# Altium PCB SmartCube.PcbDoc (part 1 of 2) (continued)
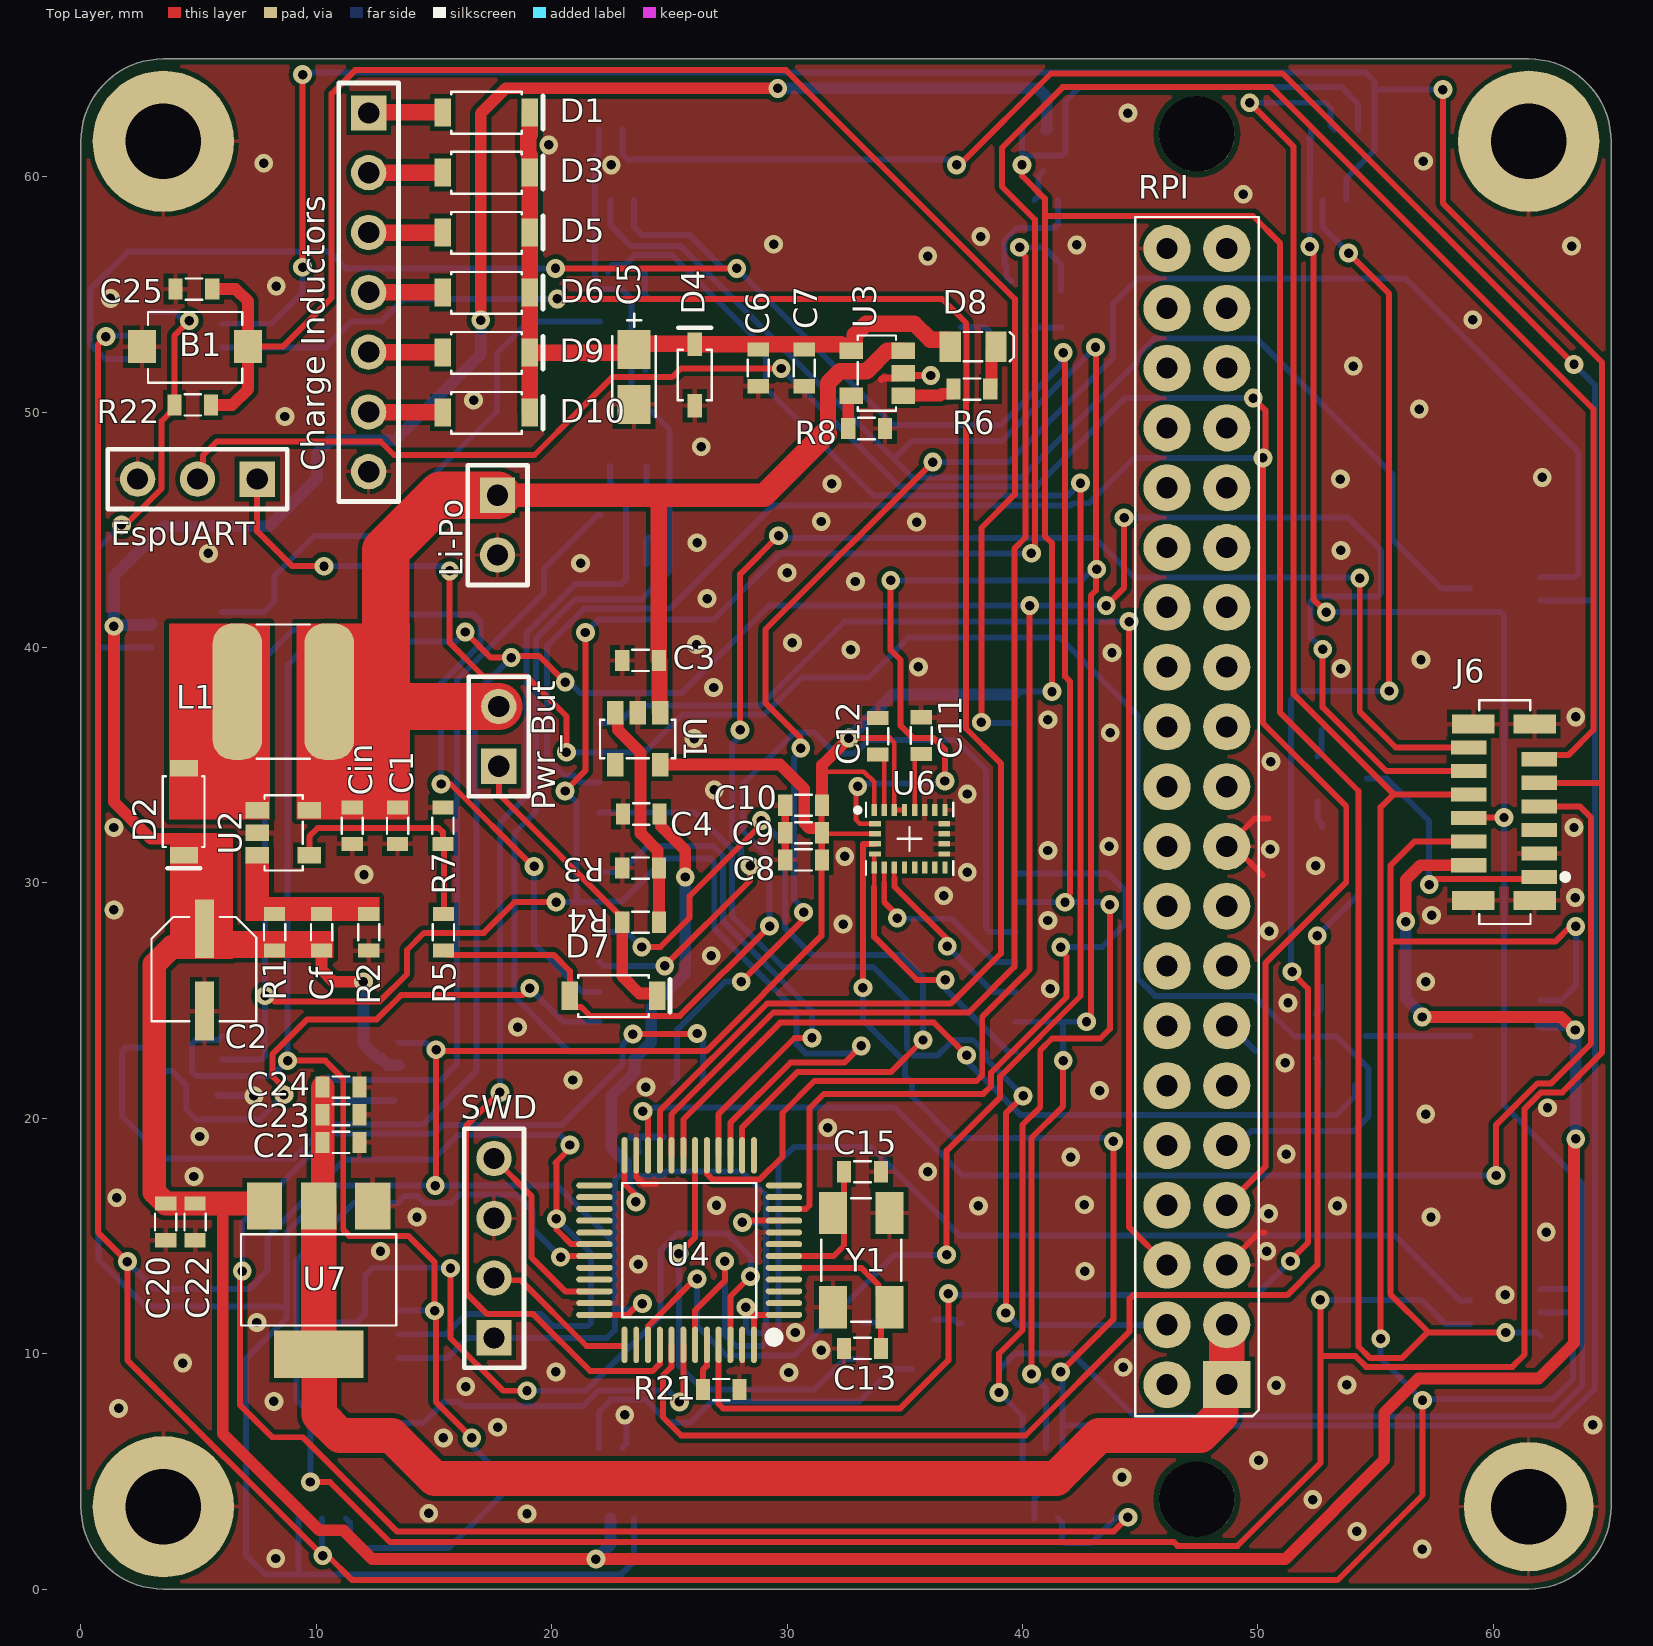
[diagram p0: Top Layer view]
## Components (designator, comment, footprint, x,y, rotation, side; value= is the part's Value field where it differs from the comment)
B1 "But" "BUTTON 4x3" 7.1,52.775 r270 top
C1 "2.2uF" "0603 Capicator" 13.45,32.425 r90 top
C2 "4.7uF" "Bar Cap 4x5.4" 5.25,24.55 r180 top
C3 "10uF" "0603 Capicator" 23.775,39.45 r0 top
C4 "10uF" "0603 Capicator" 23.805,32.925 r0 top
C5 "10uF" TANTAL_A_CASE 23.5,51.15 r90 top
C6 "0.1uF" "0603 Capicator" 28.775,51.875 r90 top
C7 "0.1uF" "0603 Capicator" 30.725,51.875 r90 top
C8 "10uF" "0603 Capicator" 30.7,30.975 r180 top
C9 "0.1uF" "0603 Capicator" 30.7,32.125 r180 top
C10 "0.1uF" "0603 Capicator" 30.7,33.3 r180 top
C11 "10nF" "0603 Capicator" 35.7,36.255 r90 top
C12 "0.1uF" "0603 Capicator" 33.85,36.23 r90 top
C13 "10pF" "0603 Capicator" 33.2,10.225 r180 top
C14 "0.1uF" "0603 Capicator" 21.9,11.875 r180 bottom
C15 "10pF" "0603 Capicator" 33.2,17.725 r0 top
C16 "0.1uF" "0603 Capicator" 28.375,10.1 r270 bottom
C17 "0.1uF" "0603 Capicator" 23.35,18.425 r90 bottom
C18 "0.1uF" "0603 Capicator" 29.85,15.45 r0 bottom
C19 "4.7uF" "0603 Capicator" 24.75,18.425 r90 bottom
C20 "10uF" "0603 Capicator" 3.6,15.6 r90 top
C21 "10uF" "0603 Capicator" 11.05,18.975 r180 top
C22 "10uF" "0603 Capicator" 4.85,15.6 r90 top
C23 "10uF" "0603 Capicator" 11.05,20.15 r180 top
C24 "1uF" "0603 Capicator" 11.05,21.325 r180 top
C25 "0.1uF" "0603 Capicator" 4.8,55.225 r180 top
Cf "220pF" "0603 Capicator" 10.225,27.9 r270 top
"Charge Inductors" "Header 7" HDR1X7 12.225,62.705 r270 top
Cin "10uF" "0603 Capicator" 11.525,32.425 r90 top
D1 "Diode" sod-123 15.375,62.725 r0 top
D2 "Diode" sod-123 4.375,34.875 r270 top
D3 "Diode" sod-123 15.375,60.175 r0 top
D4 "Zener 5.1V" sod-323 26.075,50.275 r90 top
D5 "Diode" sod-123 15.375,57.625 r0 top
D6 "Diode" sod-123 15.375,55.075 r0 top
D7 "Diode" sod-123 20.775,25.2 r0 top
D8 "LedG" "0805 LED" 37.9,52.775 r0 top
D9 "Diode" sod-123 15.375,52.525 r0 top
D10 "Diode" sod-123 15.375,49.975 r0 top
EspUART "Header 3" HDR1X3 7.49,47.15 r180 top
J1 "FPC/FFC Conn" "FH12-40S Vertical" 31.75,3 r180 bottom locked
J2 "FPC/FFC Conn" "FH12-40S Vertical" 62,33.25 r270 bottom locked
J3 "FPC/FFC Conn" "FH12-40S Vertical" 31.75,62 r0 bottom locked
J4 "FPC/FFC Conn" "FH12-40S Vertical" 3,31.75 r90 bottom locked
J5 "FPC/FFC Conn" "FH12-40S Vertical" 13.5,31.5 r270 bottom locked
J6 "FPC/FFC Conn" "FH12-12S Vertical" 58.95,40 r270 top
JS1 "FPC/FFC Conn" "FH12-6s Vertical" 1.75,6 r0 bottom locked
JS2 "FPC/FFC Conn" "FH12-6s Vertical" 59,3.25 r90 bottom locked
JS3 "FPC/FFC Conn" "FH12-6s Vertical" 61.75,59 r180 bottom locked
JS4 "FPC/FFC Conn" "FH12-6s Vertical" 10.5,2.325 r90 bottom
JS5 "FPC/FFC Conn" "FH12-6s Vertical" 6,61.75 r270 bottom locked
L1 "10uH" SDR 8.6,38.125 r270 top
Li-Po "Header 2" HDR1X2 17.7,46.465 r270 top
Pwr_But "Header 2" HDR1X2 17.75,34.95 r90 top
Q1 "NPN" SOT-23 34.349,11.455 r0 bottom
Q2 "NPN" SOT-23 52.47,22.549 r90 bottom
Q3 "NPN" SOT-23 40.475,53.45 r180 bottom
Q4 "NPN" SOT-23 24.15,54.8 r270 bottom
Q5 "NPN" SOT-23 24.15,46.575 r270 bottom
Q6 "NPN" SOT-23 52.525,33.475 r90 bottom
R1 "120k" "0603 Resistor" 8.225,27.9 r270 top
R2 "15k" "0603 Resistor" 12.225,27.9 r270 top
R3 "10k" "0603 Resistor" 23.775,30.625 r180 top
R4 "1k" "0603 Resistor" 23.775,28.325 r0 top
R5 "1k" "0603 Resistor" 15.4,27.9 r270 top
R6 "510R" "0603 Resistor" 37.85,50.975 r0 top
R7 "10k" "0603 Resistor" 15.375,32.425 r270 top
R8 "2k" "0603 Resistor" 33.375,49.3 r180 top
R9 "510R" "0603 Resistor" 33.2,10.55 r90 bottom
R10 "510R" "0603 Resistor" 53.35,21.4 r180 bottom
R11 "75R" "0603 Resistor" 37.4,10.5 r90 bottom
R12 "75R" "0603 Resistor" 53.45,25.6 r180 bottom
R13 "510R" "0603 Resistor" 41.625,54.375 r270 bottom
R14 "510R" "0603 Resistor" 23.175,55.925 r0 bottom
R15 "75R" "0603 Resistor" 37.375,54.4 r270 bottom
R16 "75R" "0603 Resistor" 23.2,51.775 r0 bottom
R17 "510R" "0603 Resistor" 23.25,47.7 r0 bottom
R18 "510R" "0603 Resistor" 53.5,32.35 r180 bottom
R19 "75R" "0603 Resistor" 23.25,43.55 r0 bottom
R20 "75R" "0603 Resistor" 53.475,36.5 r180 bottom
R21 "3k9" "0603 Resistor" 27.2,8.475 r0 top
R22 "10k" "0603 Resistor" 4.75,50.3 r180 top
RPI "PBD" "PBD 2x20" 46.135,8.685 r90 top
SWD "Header 4" HDR1X4 17.55,10.67 r90 top
U1 "LDO 3.3V" SOT-23-5 23.65,37.225 r180 top
U2 "DC/DC" SOT-23-5 7.5,32.125 r270 top
U3 "Charger" SOT-23-5 34.925,51.65 r90 top
U4 "STM32F042C6T6" LQFP48 25.84,14.399 r180 top
U5 "ESP32" ESP32-WROOM-32U 30.865,30.93 r180 bottom
U6 "MEMs" "LGA 3.5x3x1 mm 24-lead" 35.2,31.871 r0 top
U7 "LDO 5V" SOT-223 10.1,16.275 r180 top
Y1 "8MHz" "Crystal ABM" 31.95,11.975 r90 top

## Footprints (in the part's own frame and the unit in brackets; to place one, negate y for a bottom-side part, rotate by r counter-clockwise, add the part's x,y. Pads: shape width x height; smd on the part's side, far side on the other; paste and mask are expansions set on the pad)
"0603 Capicator" [mm]
  rect 0.6x0.9 smd: 1(-0.78,0) 2(0.78,0)
  silkscreen extent -0.35,-0.45 0.35,0.45, body extent -0.82,-0.45 0.88,0.45, height 0.9
"0603 Resistor" [mm]
  rect 0.6x0.9 smd: 1(-0.78,0) 2(0.78,0)
  silkscreen extent -0.35,-0.45 0.35,0.45, body extent -0.85,-0.45 0.85,0.45, height 0.55
"0805 LED" [mm]
  rect 0.9x1.3 smd: 1(-0.975,0) 2(0.975,0)
  silkscreen extent -0.4,-0.63 1.73,0.63, body extent -0.93,-0.62 1.08,0.62, height 1.1
"Bar Cap 4x5.4" [mm]
  rect 0.8x2.5 smd: 1(0,0) 2(0,-3.5)
  silkscreen extent -2.2,-4 2.25,0.43, body extent -2.15,-4.3 2.15,0.7, height 5.4
"BUTTON 4x3" [mm]
  rect 1.4x1.2 smd: 1(0,0) 2(0,-4.5)
  silkscreen extent -1.48,-4.25 1.53,-0.25, body extent -1.43,-4.78 1.47,0.22, height 2
"Crystal ABM" [mm]
  rect 1.8x1.2 smd: 1(0,-2.4) 2(4,0) GND(0,0) GND(4,-2.4)
  silkscreen extent -0.63,-2.9 4.62,0.5, body extent -0.5,-2.8 4.5,0.4, height 1.1
ESP32-WROOM-32U [mm]
  rect 1.45x0.86 smd: 1(-8.83,8.41) 2(-8.83,7.14) 3(-8.83,5.87) 4(-8.83,4.6) 5(-8.83,3.33) 6(-8.83,2.06) 7(-8.83,0.79) 8(-8.83,-0.48) 9(-8.83,-1.75) 10(-8.83,-3.02) 11(-8.83,-4.29) 12(-8.83,-5.56) 13(-8.83,-6.83) 14(-8.83,-8.1) 25(8.83,-8.1) 26(8.83,-6.83) 27(8.83,-5.56) 28(8.83,-4.29) 29(8.83,-3.02) 30(8.83,-1.75) 31(8.83,-0.48) 32(8.83,0.79) 33(8.83,2.06) 34(8.83,3.33) 35(8.83,4.6) 36(8.83,5.87) 37(8.83,7.14) 38(8.83,8.41)
  rect 0.86x1.45 smd: 15(-5.715,-9.43) 16(-4.445,-9.43) 17(-3.175,-9.43) 18(-1.905,-9.43) 19(-0.635,-9.43) 20(0.635,-9.43) 21(1.905,-9.43) 22(3.175,-9.43) 23(4.445,-9.43) 24(5.715,-9.43)
  rect 3.5x3.5 smd: 39(-1.46,0.77)
  silkscreen extent -9,-9.6 9,9.6, body extent -9,-9.6 9,9.6, height 3.3
"FH12-6s Vertical" [mm]
  rect 0.6x1.5 smd: 1(9.5,3) 2(9,0) 3(8.5,3) 4(8,0) 5(7.5,3) 6(7,0)
  rect 0.8x1.8 smd: A(6,0.2) A(6,2.8) A(10.5,0.2) A(10.5,2.8)
  silkscreen extent 5,0.45 11.5,4.22, body extent 5.05,-0.37 11.45,3.43, height 5.5
"FH12-12S Vertical" [mm]
  rect 0.6x1.5 smd: 1(9.75,3) 2(9.25,0) 3(8.75,3) 4(8.25,0) 5(7.75,3) 6(7.25,0) 7(6.75,3) 8(6.25,0) 9(5.75,3) 10(5.25,0) 11(4.75,3) 12(4.25,0)
  rect 0.8x1.8 smd: A(3.25,2.8) A(3.25,0.2) A(10.75,0.2) A(10.75,2.8)
  silkscreen extent 2.25,0.45 11.75,4.2, body extent 2.3,-0.38 11.7,3.43, height 5.53
"FH12-40S Vertical" [mm]
  rect 0.6x1.5 smd: 1(9.75,3) 2(9.25,0) 3(8.75,3) 4(8.25,0) 5(7.75,3) 6(7.25,0) 7(6.75,3) 8(6.25,0) 9(5.75,3) 10(5.25,0) 11(4.75,3) 12(4.25,0) 13(3.75,3) 14(3.25,0) 15(2.75,3) 16(2.25,0) 17(1.75,3) 18(1.25,0) 19(0.75,3) 20(0.25,0) 21(-0.25,3) 22(-0.75,0) 23(-1.25,3) 24(-1.75,0) 25(-2.25,3) 26(-2.75,0) 27(-3.25,3) 28(-3.75,0) 29(-4.25,3) 30(-4.75,0) 31(-5.25,3) 32(-5.75,0) 33(-6.25,3) 34(-6.75,0) 35(-7.25,3) 36(-7.75,0) 37(-8.25,3) 38(-8.75,0) 39(-9.25,3) 40(-9.75,0)
  rect 0.8x1.8 smd: A(-10.75,0.2) A(-10.75,2.8) A(10.75,0.2) A(10.75,2.8)
  silkscreen extent -11.75,0.45 11.75,4.2, body extent -11.68,-0.37 11.72,3.43, height 5.55
HDR1X2 [mm] "Connector; Header; 2 Position"
  rect 1.5x1.5 hole 0.9: 1(0,0)
  round 1.5 hole 0.9: 2(2.54,0)
  silkscreen extent -1.27,-1.27 3.81,1.27
HDR1X3 [mm] "Connector; Header; 3 Position"
  rect 1.5x1.5 hole 0.9: 1(0,0)
  round 1.5 hole 0.9: 2(2.54,0) 3(5.08,0)
  silkscreen extent -1.27,-1.27 6.35,1.27
HDR1X4 [mm] "Connector; Header; 4 Position"
  rect 1.5x1.5 hole 0.9: 1(0,0)
  round 1.5 hole 0.9: 2(2.54,0) 3(5.08,0) 4(7.62,0)
  silkscreen extent -1.27,-1.27 8.89,1.27
HDR1X7 [mm] "Connector; Header; 7 Position"
  rect 1.5x1.5 hole 0.9: 1(0,0)
  round 1.5 hole 0.9: 2(2.54,0) 3(5.08,0) 4(7.62,0) 5(10.16,0) 6(12.7,0) 7(15.24,0)
  silkscreen extent -1.27,-1.27 16.51,1.27
"LGA 3.5x3x1 mm 24-lead" [mm]
  rect 0.23x0.5 smd mask+0.025: 1(-1.505,1.22) 6(-1.505,-1.22) 7(-1.075,-1.22) 8(-0.645,-1.22) 9(-0.215,-1.22) 10(0.215,-1.22) 11(0.645,-1.22) 12(1.075,-1.22) 13(1.505,-1.22) 18(1.505,1.22) 19(1.075,1.22) 20(0.645,1.22) 21(0.215,1.22) 22(-0.215,1.22) 23(-0.645,1.22) 24(-1.075,1.22)
  rect 0.5x0.23 smd mask+0.025: 2(-1.47,0.645) 3(-1.47,0.215) 4(-1.47,-0.215) 5(-1.47,-0.645) 14(1.47,-0.645) 15(1.47,-0.215) 16(1.47,0.215) 17(1.47,0.645)
  silkscreen extent -2.3,-1.53 1.85,1.53, body extent -1.75,-1.5 1.75,1.5, height 1
LQFP48 [mm]
  oval 1.55x0.254 smd mask+0.02: 1(-4.025,2.75) 2(-4.025,2.25) 3(-4.025,1.75) 4(-4.025,1.25) 5(-4.025,0.75) 6(-4.025,0.25) 7(-4.025,-0.25) 8(-4.025,-0.75) 9(-4.025,-1.25) 10(-4.025,-1.75) 11(-4.025,-2.25) 12(-4.025,-2.75) 25(4.025,-2.75) 26(4.025,-2.25) 27(4.025,-1.75) 28(4.025,-1.25) 29(4.025,-0.75) 30(4.025,-0.25) 31(4.025,0.25) 32(4.025,0.75) 33(4.025,1.25) 34(4.025,1.75) 35(4.025,2.25) 36(4.025,2.75)
  oval 0.254x1.55 smd mask+0.02: 13(-2.75,-4.025) 14(-2.25,-4.025) 15(-1.75,-4.025) 16(-1.25,-4.025) 17(-0.75,-4.025) 18(-0.25,-4.025) 19(0.25,-4.025) 20(0.75,-4.025) 21(1.25,-4.025) 22(1.75,-4.025) 23(2.25,-4.025) 24(2.75,-4.025) 37(2.75,4.025) 38(2.25,4.025) 39(1.75,4.025) 40(1.25,4.025) 41(0.75,4.025) 42(0.25,4.025) 43(-0.25,4.025) 44(-0.75,4.025) 45(-1.25,4.025) 46(-1.75,4.025) 47(-2.25,4.025) 48(-2.75,4.025)
  silkscreen extent -3.8,-2.85 2.85,3.9, body extent -4.5,-4.54 4.5,4.46, height 1.56
"PBD 2x20" [mm]
  rect 2x2 hole 0.9: 1(0,-2.54)
  round 2 hole 0.9: 2(0,0) 3(2.54,-2.54) 4(2.54,0) 5(5.08,-2.54) 6(5.08,0) 7(7.62,-2.54) 8(7.62,0) 9(10.16,-2.54) 10(10.16,0) 11(12.7,-2.54) 12(12.7,0) 13(15.24,-2.54) 14(15.24,0) 15(17.78,-2.54) 16(17.78,0) 17(20.32,-2.54) 18(20.32,0) 19(22.86,-2.54) 20(22.86,0) 21(25.4,-2.54) 22(25.4,0) 23(27.94,-2.54) 24(27.94,0) 25(30.48,-2.54) 26(30.48,0) 27(33.02,-2.54) 28(33.02,0) 29(35.56,-2.54) 30(35.56,0) 31(38.1,-2.54) 32(38.1,0) 33(40.64,-2.54) 34(40.64,0) 35(43.18,-2.54) 36(43.18,0) 37(45.72,-2.54) 38(45.72,0) 39(48.26,-2.54) 40(48.26,0)
  silkscreen extent -1.35,-3.9 49.6,1.35, body extent -1.27,-3.81 49.53,1.27, height 8.4
SDR [mm]
  rrect80% 5.8x2.1 smd: 1(0,1.95) 2(0,-1.95)
  silkscreen extent -2.85,-1.12 2.85,1.12, body extent -2.8,-2.75 2.8,2.75, height 4.55
sod-123 [mm]
  rect 0.7x1.2 smd: 1(0,0) 2(3.7,0)
  silkscreen extent 0.35,-0.9 4.25,0.87, body extent 0,-0.8 3.7,0.8
sod-323 [mm]
  rect 1x0.6 smd: 1(0,0) 2(2.6,0)
  silkscreen extent 0.23,-0.72 3.3,0.72, body extent 0.03,-0.68 2.63,0.67, height 1.1
SOT-23 [mm]
  rect 0.7x0.9 smd: 1(0,0) 2(1.9,0) 3(0.95,2.1)
  silkscreen extent -0.4,0.65 2.3,1.83, body extent -0.55,-0.18 2.45,2.22, height 1.1
SOT-23-5 [mm]
  rect 0.7x1 smd mask+0.045: 1(-0.95,0) 2(0,0) 3(0.95,0) 4(0.95,2.2) 5(-0.95,2.2)
  silkscreen extent -1.6,0.3 1.6,1.92, body extent -1.5,-0.15 1.5,2.35, height 1.1
SOT-223 [mm]
  rect 1.5x2 smd: 1(-2.3,0) 2(0,0) 3(2.3,0)
  rect 3.8x2 smd: 2(0,6.3)
  silkscreen extent -3.3,1.2 3.3,5.07, body extent -3.25,-0.23 3.25,6.73, height 1.7
TANTAL_A_CASE [mm]
  rect 1.65x1.4 smd: 1(-0.825,0) 2(1.5,0)
  silkscreen extent -1.35,-0.92 3.03,0.92, body extent -1.39,-0.8 2.07,0.8, height 1.65

## Part data
B1: library part "Button 2 Conn", "Button 2 Conn SMD", Manufacturer="KLS electronic co ltd", Part Number=L-KLS7-TS3608-5.0-180, ComponentLink1Description=Chip&Dip, ComponentLink1URL=https://www.chipdip.ru/product/kls7-ts3608-5.0-180-td-02xa, Type=Button
C1: library part "Cap 2.2uF (0603)", "2.2uF X5R 10V 10% 0603", Manufacturer="Murata Manufacturing", Part Number=GRM188R61A225KE34D, ComponentLink1Description=Chip&Dip, ComponentLink1URL=https://www.chipdip.ru/product/grm188r61a225k, Type=Capacitor
C2: library part "Cap Pol 4.7uF", "ECAP SMD,  35V, 105°C", Manufacturer=Epcos, Part Number=B41121A7475M000, ComponentLink1Description=Chip&Dip, ComponentLink1URL=https://www.chipdip.ru/product/b41121a7475m000, Type=Capacitor
C3 C4 C8 C20 C21 C22 C23 Cin: library part "Cap 10uF (0603)", "10uF X5R 25V 20% 0603", Manufacturer="Murata Manufacturing", Part Number=GRM188R61E106M, ComponentLink1Description=Chip&Dip, ComponentLink1URL=https://www.chipdip.ru/product/grm188r61e106m, Type=Capacitor
C5: library part "Cap Tantal 10uF (SMDA)", "TECAP, 10uF, 16V, case A, 10%", Manufacturer=China, Part Number=373033076, ComponentLink1Description=Chip&Dip, ComponentLink1URL=https://www.chipdip.ru/product0/373033076, Type=Capacitor
C6 C7 C9 C10 C12 C14 C16 C17 C18 C25: library part "Cap 0.1uF (0603)", "0.1uF X7R 16V 10% 0603", Manufacturer="Murata Manufacturing", Part Number=GRM188R71C104KA01D, ComponentLink1Description=Chip&Dip, ComponentLink1URL=https://www.chipdip.ru/product/grm188r71c104ka01d, Type=Capacitor
C11: library part "Cap 10nF (0603)", "X7R 10nF 100V 10% 0603", Manufacturer="Murata Manufacturing", Part Number=GRM188R72A103KA01D, ComponentLink1Description=Chip&Dip, ComponentLink1URL=https://www.chipdip.ru/product/grm188r72a103ka01d, Type=Capacitor
C13 C15: library part "Cap 10pF (0603)", "10pF NP0 50V 5% 0603", Manufacturer="Murata Manufacturing", Part Number=GRM1885C1H100JA01D, ComponentLink1Description=Chip&Dip, ComponentLink1URL=https://www.chipdip.ru/product/grm1885c1h100j, Type=Capacitor
C19: library part "Cap 4.7uF (0603)", "4.7uF X5R 6.3V 10% 0603", Manufacturer="Murata Manufacturing", Part Number=GRM188R60J475KE19D, ComponentLink1Description=Chip&Dip, ComponentLink1URL=https://www.chipdip.ru/product/grm185r60g475me15d, Type=Capacitor
C24: library part "Cap 1uF (0603)", "1uF X5R 25V 10% 0603", Manufacturer="Murata Manufacturing", Part Number=GRM188R61E105KAADD, ComponentLink1Description=Chip&Dip, ComponentLink1URL=https://www.chipdip.ru/product/grm188r61e105k, Type=Capacitor
Cf: library part "Cap 220pF (0603)", "220pF NP0 50V 5% 0603", Manufacturer="Murata Manufacturing", Part Number=GRM1885C1H221J, ComponentLink1Description=Chip&Dip, ComponentLink1URL=https://www.chipdip.ru/product/grm1885c1h221j, Type=Capacitor
"Charge Inductors": "Header, 7-Pin", LatestRevisionDate=17-Jul-2002, LatestRevisionNote="Re-released for DXP Platform.", Publisher="Altium Limited"
D1 D2 D3 D5 D6 D7 D9 D10: library part "Diode Schottky (SOD-123)", "0.5 A, Low Forward Voltage less than 385 mV, 400 mW Power Dissipation Package", Manufacturer="ON Semiconductor", Part Number=MBR0520L, ComponentLink1Description=DataSheet, ComponentLink1URL=http://www.farnell.com/datasheets/1875336.pdf, ComponentLink2Description=Chip&Dip, ComponentLink2URL=https://www.chipdip.ru/product/mbr0520l, Type=Diode
D4: library part "Zener Diode 5.1V", "300mW", Manufacturer=Nexperia, Part Number=BZX384-C5V1,115, ComponentLink1Description=Chip&Dip, ComponentLink1URL=https://www.chipdip.ru/product/bzx384-c5v1, ComponentLink2Description=DataSheet, ComponentLink2URL=https://static.chipdip.ru/lib/164/DOC001164636.pdf, Type=Diode
D8: library part "Led Green", "Led Green SMD 1608, 120°, 525nM", Manufacturer="Taiwan Oasis Technology", Part Number=TO-1608BC-PG, ComponentLink1Description=Chip&Dip, ComponentLink1URL=https://www.chipdip.ru/product/to-1608bc-pg, Type=Diode
EspUART: "Header, 3-Pin", LatestRevisionDate=17-Jul-2002, LatestRevisionNote="Re-released for DXP Platform.", Publisher="Altium Limited"
J1 J2 J3 J4 J5: library part "Conn40x1 (FH12 Vertical)", "Connector to Display's trail", Manufacturer="Hirose Electric", Part Number=FH12-40S-0.5SVA(54), ComponentLink1Description=Chip&Dip, ComponentLink1URL=https://www.chipdip.ru/product1/8002082143, Type=Connector
J6: library part "Conn12x1 (FH12 Vertical)", "Connector to trail", Manufacturer="Hirose Electric", Part Number=FH12-12S-0.5SVA(54), ComponentLink1Description=Mouser, ComponentLink1URL=https://ru.mouser.com/ProductDetail/Hirose-Connector/FH12-12S-05SVA54?qs=%2Fha2pyFadugx2rsdyHDVcXwbI8krQaq6%252BPNTW5YGSdYzC8JBsy5pU75ViyDjvRCP, Type=Connector
JS1 JS2 JS3 JS4 JS5: library part "Conn6x1 (FH12 Vertical)", "Connector to touch sensor's trail", Manufacturer="Hirose Electric", Part Number=FH12-6S-0.5SVA(54), ComponentLink1Description=Mouser, ComponentLink1URL=https://ru.mouser.com/ProductDetail/Hirose-Connector/FH12-6S-05SVA54?qs=%2Fha2pyFaduhYbZFVunKSgIpYMlkzngMoGcACEbztduQ1P2V6tcZCQQ%3D%3D, Type=Connector
L1: library part "Inductor 10uH (1.5A)", "10uH, D=5.8mm, 1450mA", Manufacturer=Bourns, Part Number=SDR0604-100ML, ComponentLink1Description=DataSheet, ComponentLink1URL=http://www.farnell.com/datasheets/1635216.pdf, ComponentLink2Description=Chip&Dip, ComponentLink2URL=https://www.chipdip.ru/product/sdr0604-100ml, Type=Inductor
Li-Po Pwr_But: "Header, 2-Pin", LatestRevisionDate=17-Jul-2002, LatestRevisionNote="Re-released for DXP Platform.", Publisher="Altium Limited"
Q1 Q2 Q3 Q4 Q5 Q6: library part "NPN [BC817]", "NPN general-purpose transistors", Manufacturer=Nexperia, Part Number=BC817-40,215, ComponentLink1Description=DataSheet, ComponentLink1URL=https://static.chipdip.ru/lib/156/DOC000156781.pdf, ComponentLink2Description=Chip&Dip, ComponentLink2URL=https://www.chipdip.ru/product/bc817-40, Type=Transistor
R1: library part "Res 120k (0603)", "0.1W 0603 120k, 1%", Manufacturer=Taiwan, Part Number=RC0603FR-07120KL, ComponentLink1Description=Chip&Dip, ComponentLink1URL=https://www.chipdip.ru/product0/9000079762, Type=Resistor
R2: library part "Res 15k (0603)", "0.1W 0603 15k, 1%", Manufacturer=Taiwan, Part Number=RC0603FR-0715KL, ComponentLink1Description=Chip&Dip, ComponentLink1URL=https://www.chipdip.ru/product0/9000079740, Type=Resistor
R3 R7 R22: library part "Res 10k (0603)", "0.1W 0603 10k, 1%", Manufacturer=Taiwan, Part Number=RC0603FR-0710KL, ComponentLink1Description=Chip&Dip, ComponentLink1URL=https://www.chipdip.ru/product0/9000079736, Type=Resistor
R4 R5: library part "Res 1k (0603)", "0.1W 0603 1k, 1%", Manufacturer=Taiwan, Part Number=RC0603FR-071KL, ComponentLink1Description=Chip&Dip, ComponentLink1URL=https://www.chipdip.ru/product0/9000079676, Type=Resistor
R6 R9 R10 R13 R14 R17 R18: library part "Res 510R (0603)", "0.1W 0603 510R, 1%", Manufacturer=Taiwan, Part Number=RC0603FR-07510RL, ComponentLink1Description=Chip&Dip, ComponentLink1URL=https://www.chipdip.ru/product0/9000079669, Type=Resistor
R8: library part "Res 2k (0603)", "0.1W 0603 2k, 1%", Manufacturer=Taiwan, Part Number=RC0603FR-072KL, ComponentLink1Description=Chip&Dip, ComponentLink1URL=https://www.chipdip.ru/product0/9000079719, Type=Resistor
R11 R12 R15 R16 R19 R20: library part "Res 75R (0603)", "0.1W 0603 75R, 1%", Manufacturer=Taiwan, Part Number=RC0603FR-0775RL, ComponentLink1Description=Chip&Dip, ComponentLink1URL=https://www.chipdip.ru/product0/9000079613, Type=Resistor
R21: library part "Res 3.9k (0603)", "0.1W 0603 3.9k, 1%", Manufacturer=Taiwan, Part Number=RC0603FR-073K9L, ComponentLink1Description=Chip&Dip, ComponentLink1URL=https://www.chipdip.ru/product0/9000079726, Type=Resistor
RPI: library part "Conn20x2 (PBD)", "Female for PLD", Manufacturer="Ningbo connfly electronic", Part Number=DS1023-2*20S21, ComponentLink1Description=Chip&Dip, ComponentLink1URL=https://www.chipdip.ru/product/pbd-40, Type=Connector
SWD: "Header, 4-Pin", LatestRevisionDate=17-Jul-2002, LatestRevisionNote="Re-released for DXP Platform.", Publisher="Altium Limited"
U1: library part "LDO 3.3V [LM]", "low-dropout linear regulator. There are devices designed specifically for battery-operated systems. Ground current is very small (50uA-Typ), that significantly extending battery life. Low power consumption and high accuracy is achieved through CMOS and programmable fuse technologies. Output voltage: 1.5V to 6.0V.", Manufacturer="TAEJIN TECHNOLOGY", Part Number=LM8805SF5-3.3, ComponentLink1Description=DataSheet, ComponentLink1URL=https://static.chipdip.ru/lib/138/DOC004138842.pdf, ComponentLink2Description=Chip&Dip, ComponentLink2URL=https://www.chipdip.ru/product/lm8805sf5-3.3
U2: library part "DC/DC Controller [LM2731]", "The  LM2731  switching  regulators  are  current-mode  boostconverters  operating  at  fixed  frequencies  of  1.6  MHz  (“X”option) and 600 kHz (“Y” option).", Manufacturer="Texas Instruments", Part Number=LM2731YMF/NOPB, ComponentLink1Description=Chip&Dip, ComponentLink1URL=https://www.chipdip.ru/product/lm2731ymf-nopb, ComponentLink2Description=DataSheet, ComponentLink2URL=https://static.chipdip.ru/lib/491/DOC000491907.pdf, Type=IC
U3: library part "Charger [LTC]", "The LTC®4054 is a complete constant-current/constant-voltage linear charger for single cell lithium-ion batteries.Its ThinSOT package and low external component countmake the LTC4054 ideally suited for portable applications.Furthermore, the LTC4054 is specifically designed to workwithin USB power specifications", Manufacturer="Linear Technology", Part Number=LTC4054ES5-4.2#PBF, ComponentLink2Description=Chip&Dip, ComponentLink2URL=https://www.chipdip.ru/product/ltc4054es5-4.2, ComponentLink3Description=DataSheet, ComponentLink3URL=https://static.chipdip.ru/lib/760/DOC000760847.pdf, Type=IC
U4: "ARM®-based 32-bit MCU, up to 32 KB Flash, crystal-less USB /  FS 2.0, CAN, 9 timers, ADC and comm. interfaces, 2.0 - 3.6 V", Manufacturer=STMicroelectronics, ComponentLink1Description=DataSheet, ComponentLink1URL=https://ru.mouser.com/datasheet/2/389/stm32f042c4-956225.pdf, ComponentLink2Description=Chip&Dip, ComponentLink2URL=https://www.chipdip.ru/product1/8000831125, Part Number=STM32F042C6T6, Type=IC
U5: library part "ESP32-WROOM (D0WD)", "ESP32-WROOM-32 is a powerful, generic Wi-Fi+BT+BLE MCU module that targets a wide variety of applications,ranging from low-power sensor networks to the most demanding tasks, such as voice encoding, music streamingand MP3 decoding", Manufacturer="Espressif Systems", Part Number="ESP32-WROOM-32U (16MB)", ComponentLink1Description=Mouser, ComponentLink1URL=https://ru.mouser.com/ProductDetail/Espressif-Systems/ESP32-WROOM-32U-16MB?qs=sGAEpiMZZMu3sxpa5v1qrsMD9%252BwKyL2mrwTVktUnYUY%3D, ComponentLink2Description=DataSheet, ComponentLink2URL=https://ru.mouser.com/datasheet/2/891/esp32-wroom-32d_esp32-wroom-32u_datasheet_en-1365844.pdf, Type=IC
U6: library part "MEMs 9 Axis", "System-in-package featuring a 3D digital linear acceleration sensor, a 3D digital angular rate sensor, and a 3D digital magnetic sensor", Manufacturer=STMicroelectronics, Part Number=LSM9DS1TR, ComponentLink1Description=DataSheet, ComponentLink1URL=https://static.chipdip.ru/lib/427/DOC004427868.pdf, ComponentLink2Description=Chip&Dip, ComponentLink2URL=https://www.chipdip.ru/product/lsm9ds1tr, Type=IC
U7: library part "LDO 5V [LM]", "A low dropout Linear Regulator with a dropout of 5V at 800mA of load current", Manufacturer="Texas Instruments", Part Number=LM1117IMPX-5.0/NOPB, ComponentLink1Description=DataSheet, ComponentLink1URL=https://static.chipdip.ru/lib/276/DOC000276680.pdf, ComponentLink2Description=Chip&Dip, ComponentLink2URL=https://www.chipdip.ru/product/lm1117impx-5.0-nopb
Y1: library part "Crystal 8MHz [ABM]", "8.0MHz 10pf 10ppm -10C +60C", Manufacturer=ABRACON, Part Number=ABM3B-8.000MHZ-10-1UT, ComponentLink1Description=Mouser, ComponentLink1URL=https://ru.mouser.com/ProductDetail/ABRACON/ABM3B-8000MHZ-10-1UT?qs=sGAEpiMZZMsBj6bBr9Q9aQYUWCbsL2Wc65je5Ut7byg%3D, ComponentLink2Description=DataSheet, ComponentLink2URL=https://ru.mouser.com/datasheet/2/3/abm3b-39910.pdf, Type=Crystal

## Free pads (board coordinates)
  round 6 hole 3.2: A(3.5,3.5) A(3.5,61.5) A(61.5,61.5)
  round 3.2 hole 3.2 unplated: A(47.405,3.815) A(47.405,61.815)
  round 5.5 hole 3.2: A(61.5,3.5)

## Via types
v1: diameter 0.8, hole 0.4, Top Layer to Bottom Layer, tented both sides, 248 vias
v2: diameter 0.8, hole 0.4, Top Layer to Bottom Layer, 4 vias

## Nets (pads, with @x,y where several pads share a name; then routed paths per layer and width w, separated by ;. In a path a pad name is that pad's centre, name@x,y a point inside that pad or via, vN(x,y) a via of type N, cw(c..) or ccw(c..) an arc to the next point about the centre after c; other vN are vias at no path point)
+3.3V: C4.2 C8.1 C9.1 C10.1 C14.1 C16.1 C17.1 C18.1 C19.1 J1.4 J2.4 J3.4 J4.4 J5.4 J6.4 JS1.5 JS2.5 JS3.5 JS4.5 JS5.5 R22.2 SWD.1 U1.5 U4.1 U4.9 U4.24 U4.36 U4.48 U5.2 U6.1 U6.3 U6.22 U6.23 | length 378.8
  Top Layer w0.2: C9.1@31.519,32.086 U6.3@33.73,32.086 ; 31.55,34.725 33.259,34.725 33.695,34.289 U6.1@33.695,33.091 ; 34.35,36.15 34.555,35.945 U6.23@34.555,33.091 U6.22@34.985,33.091
  Top Layer w0.254: v1(1.725,45.2) 1.877,45.2 3.422,46.745 3.422,49.61 3.97,50.158 3.97,53.245 v1(4.6,53.875) ; v1(15.055,17.138) 15.089,17.172 v1(15.089,22.911) 15.152,22.848 26.556,22.848 31.455,27.747 31.455,32.3 C10.1@31.455,33.09 ; U4.36@21.815,11.649 23.226,11.649 23.702,12.125 v1(23.85,12.125) ; U4.24@23.09,18.424 23.09,17.21 23.575,16.725 v1(23.575,16.45) ; v1(28.1,15.575) 28.174,15.649 U4.9@29.865,15.649 ; v1(28.25,11.975) 28.25,11.95 28.645,11.555 ; U4.48@28.59,10.374 28.59,11.5 28.645,11.555 ; U4.1@29.865,11.649 28.739,11.649 28.645,11.555 ; C8.1@31.48,31.025 31.48,31.96 C9.1@31.48,32.125 C9.1@31.519,32.086 ; C10.1@31.48,33.45 31.48,33.37 C10.1@31.48,33.25 ; C10.1@31.6,33.37 C10.1@31.48,33.25 ; C10.1@31.639,33.091 C10.1@31.48,33.25 ; v1(32.625,36.15) 34.35,36.15 ; v1(39.975,60.5) 39.975,60.036 40.95,59.061 40.95,44.727 41.25,44.427 v1(41.25,38.125) ; 41.065,58.324 49.789,58.324 50.945,57.168 50.945,37.227 54.273,33.9 54.273,10.302 54.752,9.823 56.123,9.823 57.215,10.915 ; J6.4@58.95,31.75 56.642,31.75 55.625,30.733 55.625,27.5 ; v1(60.525,10.9) 57.23,10.9 57.215,10.915 ; v1(63.5,28.15) 63.278,28.15 62.628,27.5 55.625,27.5 ; 55.625,27.5 55.625,12.525 57.225,10.925 57.215,10.915
  Top Layer w0.5: C4.2@24.585,32.925 24.635,32.875 24.635,32.415 25.675,31.375 v1(25.675,30.25) ; U1.5@24.6,35.025 29.7,35.025 30.725,34 30.725,32.546 30.946,32.325 31.43,32.325 31.455,32.3 31.48,32.275 C9.1@31.48,32.125 ; C10.1@31.48,33.3 31.48,35.005 v1(32.625,36.15)
  Bottom Layer w0.254: v1(1.725,45.2) 0.748,44.223 0.748,40 ; J4.4@3,40 0.748,40 ; JS5.5@3,54.25 3.967,54.25 4.342,53.875 v1(4.6,53.875) ; JS1.5@9.25,3 9.25,0.648 9.275,0.623 ; JS4.5@13.5,9.825 15.575,9.825 16.42,10.67 SWD.1@17.55,10.67 22.345,10.67 22.68,11.005 C14.1@22.68,11.875 ; J5.4@13.5,23.25 13.55,23.2 14.668,23.2 14.957,22.911 v1(15.089,22.911) ; C17.1@23.35,17.645 C17.1@23.35,17.55 ; J1.4@23.5,3 23.5,1.175 22.948,0.623 9.275,0.623 ; v1(23.575,16.45) 23.575,16.826 23.35,17.051 C17.1@23.35,17.55 ; v1(23.85,12.125) 23.702,12.125 23.452,11.875 C14.1@22.68,11.875 ; v1(28.1,15.575) 28.945,15.575 C18.1@29.07,15.45 ; v1(28.25,11.975) 28.25,11.055 28.225,11.03 C16.1@28.375,10.88 28.93,10.88 29.1,11.05 29.1,16.725 28.275,17.55 28.077,17.747 24.852,17.747 C19.1@24.75,17.645 24.75,17.55 23.518,17.55 C17.1@23.35,17.55 ; U5.2@39.695,38.07 39.75,38.125 v1(41.25,38.125) ; v1(39.975,60.5) 39.975,60.903 ; J3.4@40,62 39.975,61.975 39.975,60.903 ; JS3.5@54.25,62 54.25,63.1 53.552,63.798 42.411,63.798 41.827,63.214 41.827,61.052 41.678,60.903 39.975,60.903 ; v1(60.525,10.9) 61.85,10.9 JS2.5@62,10.75 ; J2.4@62,25 62.871,25 63.5,25.629 v1(63.5,28.15) ; 0.748,40 0.748,13.991 2.732,12.007 8.731,12.007 ; 8.731,12.007 8.731,11.506 7.003,9.778 7.003,1.441 7.821,0.623 9.275,0.623 ; 8.731,12.007 8.731,15.157 10.712,17.138 v1(15.055,17.138) 20.237,17.138 22.68,14.695 ; C14.1@22.68,11.875 22.68,14.695 ; 22.68,14.695 22.68,17.38 22.85,17.55 C17.1@23.35,17.55
  Bottom Layer w0.5: C17.1@23.15,17.695 23.15,18.125 22.83,18.445 22.745,18.53 22.525,18.75 22.525,20.968 23.203,21.646 23.22,21.646 23.514,21.94 23.514,22.514 24.225,23.225 24.225,24.7 25.675,26.15 v1(25.675,30.25) ; v1(32.625,36.15) 34.475,38 39.625,38 U5.2@39.695,38.07
+5V: C21.2 C23.2 C24.2 RPI.1 RPI.3 U7.2 | length 58.5
  Top Layer w1: U7.2@10.1,16.275 10.27,16.445 C21.2@10.27,18.975 C23.2@10.27,20.15 C24.2@10.27,21.325
  Top Layer w1.5: U7.2@10.1,16.275 U7.2@10.1,9.975 10.1,9.75 10.125,9.725 10.125,7.404 11.004,6.525 13.2,6.525 15.025,4.7 41.425,4.7 43.25,6.525 47.546,6.525 48.425,7.404 48.425,8.435 RPI.1@48.675,8.685 RPI.3@48.675,11.225
+5V_Charge: C5.2 C6.2 C7.2 D1.2 D3.2 D4.2 D5.2 D6.2 D8.1 D9.2 D10.2 U3.4 | length 32
  Top Layer w0.7: D10.2@19.075,49.975 D9.2@19.075,52.525 ; D1.2@19.075,62.725 19.075,61.787 19,61.712 19,60.988 19.075,60.913 D3.2@19.075,60.175 D5.2@19.075,57.625 D6.2@19.075,55.075 D9.2@19.075,52.525 ; C5.2@23.5,52.65 23.375,52.525 D9.2@19.075,52.525 ; C5.2@23.5,52.675 23.725,52.9 26.05,52.9 D4.2@26.075,52.875 28.775,52.875 30.725,52.875 32.3,52.875 32.575,52.6 32.875,52.6 32.875,53.275 33.35,53.75 35.4,53.75 36.075,53.075 D8.1@36.8,53.075
+12V: C2.2 C20.2 C22.2 Cf.2 D2.2 J1.2 J2.2 J3.2 J4.2 J5.2 J6.2 R1.2 U7.3 | length 202.7
  Top Layer w0.5: v1(1.4,40.9) 1.4,33.45 2.975,31.875 4.6,31.875 ; 4.025,31.582 4.025,31.275 4.125,31.175 D2.2@4.375,31.175 ; 6.025,16.38 6.025,6.6 10.125,2.5 11.15,2.5 12.375,1.275 v1(21.875,1.275) 51.15,1.275 55.36,5.485 55.36,7.485 56.817,8.942 61.917,8.942 63.425,10.45 63.425,19.05 v1(63.5,19.125) ; Cf.2@10.225,27.12 10.225,26.3 10.725,25.8 v1(12,25.8) ; v1(16.985,53.904) 16.985,62.685 18.05,63.75 v1(29.6,63.75) ; v1(56.277,28.355) 56.277,30.127 56.9,30.75 J6.2@58.95,30.75 ; v1(56.975,24.3) 62.875,24.3 63.425,23.75 v1(63.475,23.75)
  Top Layer w1: 4.675,27.375 4.575,27.275 3.861,27.275 3.125,26.539 3.125,16.855 C20.2@3.6,16.38 C22.2@4.85,16.38 6.025,16.38 7.695,16.38 U7.3@7.8,16.275
  Bottom Layer w0.5: J4.2@3,41 2.95,40.95 1.45,40.95 v1(1.4,40.9) 1.4,43.034 3.516,45.15 8,45.15 10.025,47.175 10.025,48.225 10.6,48.8 13.325,48.8 16.985,52.46 v1(16.985,53.904) ; v1(12,25.8) 12,23.17 12.595,22.575 12.725,22.575 13.05,22.25 J5.2@13.5,22.25 ; v1(21.875,1.275) 22.5,1.9 J1.2@22.5,3 ; v1(29.6,63.75) 40.654,63.75 41.025,63.379 41.025,62.025 J3.2@41,62 ; v1(56.277,28.355) 56.277,25.104 56.975,24.406 v1(56.975,24.3) ; J2.2@62,24 62.05,23.95 63.275,23.95 v1(63.475,23.75) ; v1(63.5,19.125) v1@63.5,23.475
+V_Bat: C1.2 C3.2 Cin.2 L1.1 Li-Po.1 Pwr_But.2 U1.1 U2.5 U3.3 | length 50.4
  Top Layer w0.254: Li-Po.1@17.129,46.475 17.544,46.475 Li-Po.1@17.554,46.465 ; C3.2@24.555,39.464 24.6,39.419 U1.1@24.6,37.225
  Top Layer w0.5: C3.2@24.555,39.45 C3.2@24.578,39.428 ; U1.1@24.578,37.247 U1.1@24.6,37.225
  Top Layer w0.7: C3.2@24.555,39.45 24.555,46.345 24.675,46.465 ; U1.1@24.578,37.247 C3.2@24.578,39.428 ; 31.617,49.067 31.735,49.185 31.735,51.232 32.245,51.742 33.388,51.742 34.247,52.6 U3.3@34.925,52.6
  Top Layer w1: Li-Po.1@17.7,46.465 24.675,46.465 29.015,46.465 31.617,49.067
  Top Layer w2: L1.1@10.55,38.125 10.55,37.54 10.6,37.49 Pwr_But.2@17.75,37.49 ; 12.95,40.225 12.95,44.125 15.29,46.465 Li-Po.1@17.7,46.465
ESP_I2C_SCL: RPI.6 U5.36 | length 52.3
  Top Layer w0.254: v1(44.525,41.1) 44.525,15.375 RPI.6@46.135,13.765
  Bottom Layer w0.254: U5.36@22.035,36.8 22.85,36.8 23.581,37.531 28.87,37.531 32.439,41.1 v1(44.525,41.1)
ESP_I2C_SDA: RPI.4 U5.33 | length 43.1
  Top Layer w0.254: v1(39.287,11.728) 39.287,20.211 v1(40.023,20.948)
  Bottom Layer w0.254: U5.33@22.035,32.99 26.085,32.99 27.662,31.413 27.662,28.588 29.825,26.425 33.657,26.425 35.096,24.987 35.096,22.955 35.376,22.674 36.399,22.674 37.052,23.327 37.895,23.327 38.475,22.747 38.475,22.496 v1(40.023,20.948) ; v1(39.287,11.728) 39.79,11.225 RPI.4@46.135,11.225
ESP_RX: EspUART.2 RPI.7 U5.34 | length 130.8
  Top Layer w0.254: EspUART.2@4.95,47.15 5.188,47.388 5.188,48.163 5.775,48.75 12.725,48.75 13.3,48.175 19.27,48.175 21.194,50.099 22.574,51.479 25.114,51.479 25.485,51.85 v1(29.75,51.85) ; RPI.7@48.675,16.305 50.31,17.94 50.31,26.585 53.75,30.025 53.75,33.25 50.209,36.791 50.209,47.948 v1(50.209,48.05) 50.31,47.948 50.31,48.05 50.31,50.082 v1(49.802,50.59)
  Bottom Layer w0.254: U5.34@22.035,34.26 21.231,34.26 20.937,34.554 20.542,34.554 19.805,35.291 19.805,40.074 21.38,41.649 25.012,41.649 29.386,46.023 42.038,46.023 42.14,46.125 42.825,46.125 44.75,48.05 v1(50.209,48.05) ; v1(29.75,51.85) 34.759,46.841 40.591,46.841 44.34,50.59 v1(49.802,50.59)
ESP_TX: EspUART.1 RPI.9 U5.35 | length 80.7
  Top Layer w0.254: EspUART.1@7.49,47.15 7.49,44.935 8.975,43.45 v1(10.325,43.45) ; v1(15.665,43.249) 15.665,40.201 17.102,38.764 18.931,38.764 20.625,37.07 v1(20.625,35.55)
  Bottom Layer w0.254: v1(10.325,43.45) 15.464,43.45 v1(15.665,43.249) ; v1(20.625,35.55) 20.645,35.53 U5.35@22.035,35.53 23.93,35.53 25.552,37.152 29.027,37.152 30.6,38.725 33.467,38.725 35.172,40.43 41.57,40.43 44.883,37.117 44.883,25.946 45.629,25.2 49.825,25.2 51.55,23.475 53.346,23.475 54.705,22.116 54.705,20.09 54.065,19.45 49.697,19.45 49.092,18.845 RPI.9@48.675,18.845